# Altium PCB PCB1.PcbDoc
Units mil, origin at the board's own origin, x right, y up, seen from the top; angles counter-clockwise.
Board outline 6625.03 x 7860.03 mil, 2 copper layers (Top Layer, Bottom Layer); 38 components, 52 nets, 263 pads, 13 vias.
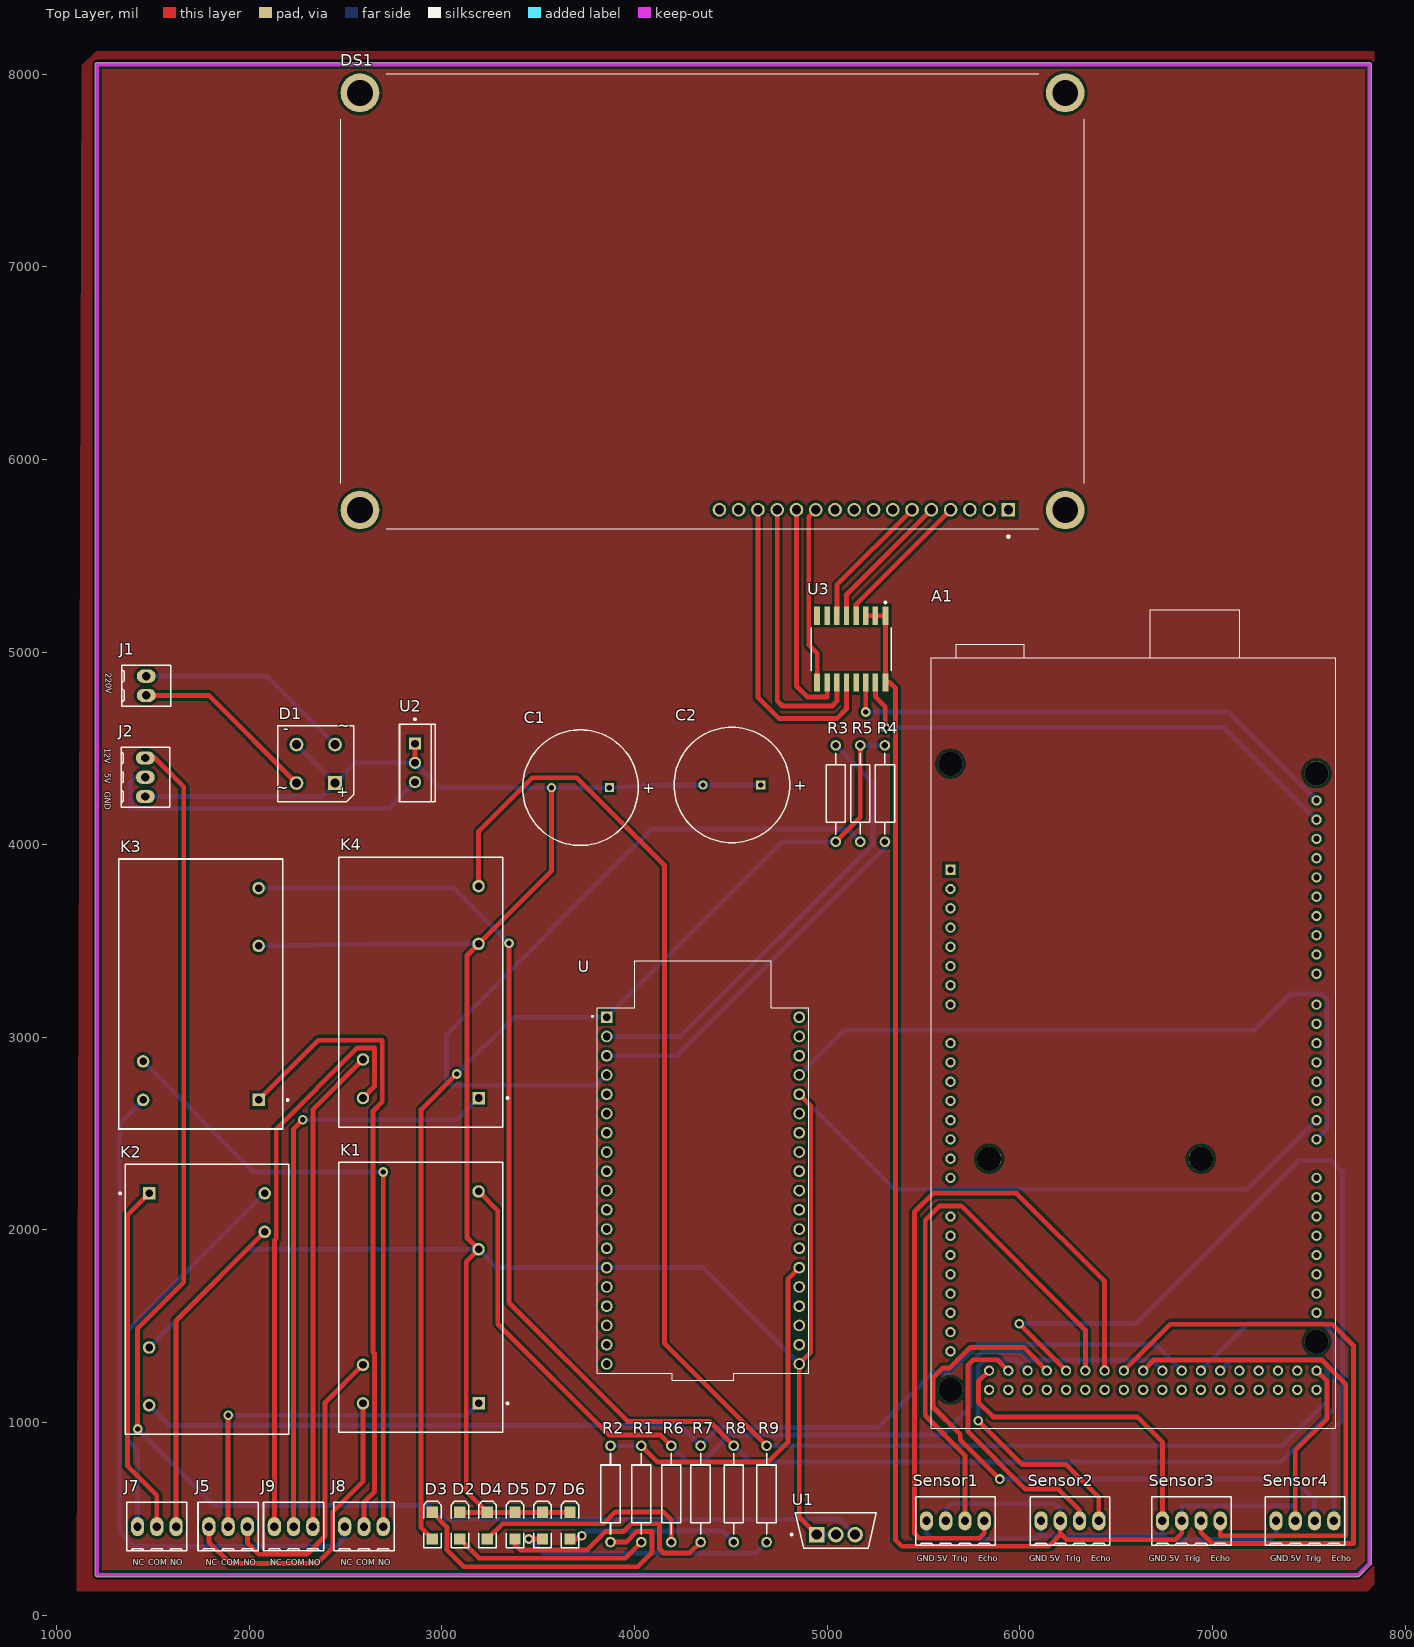
[diagram p0: Top Layer view]
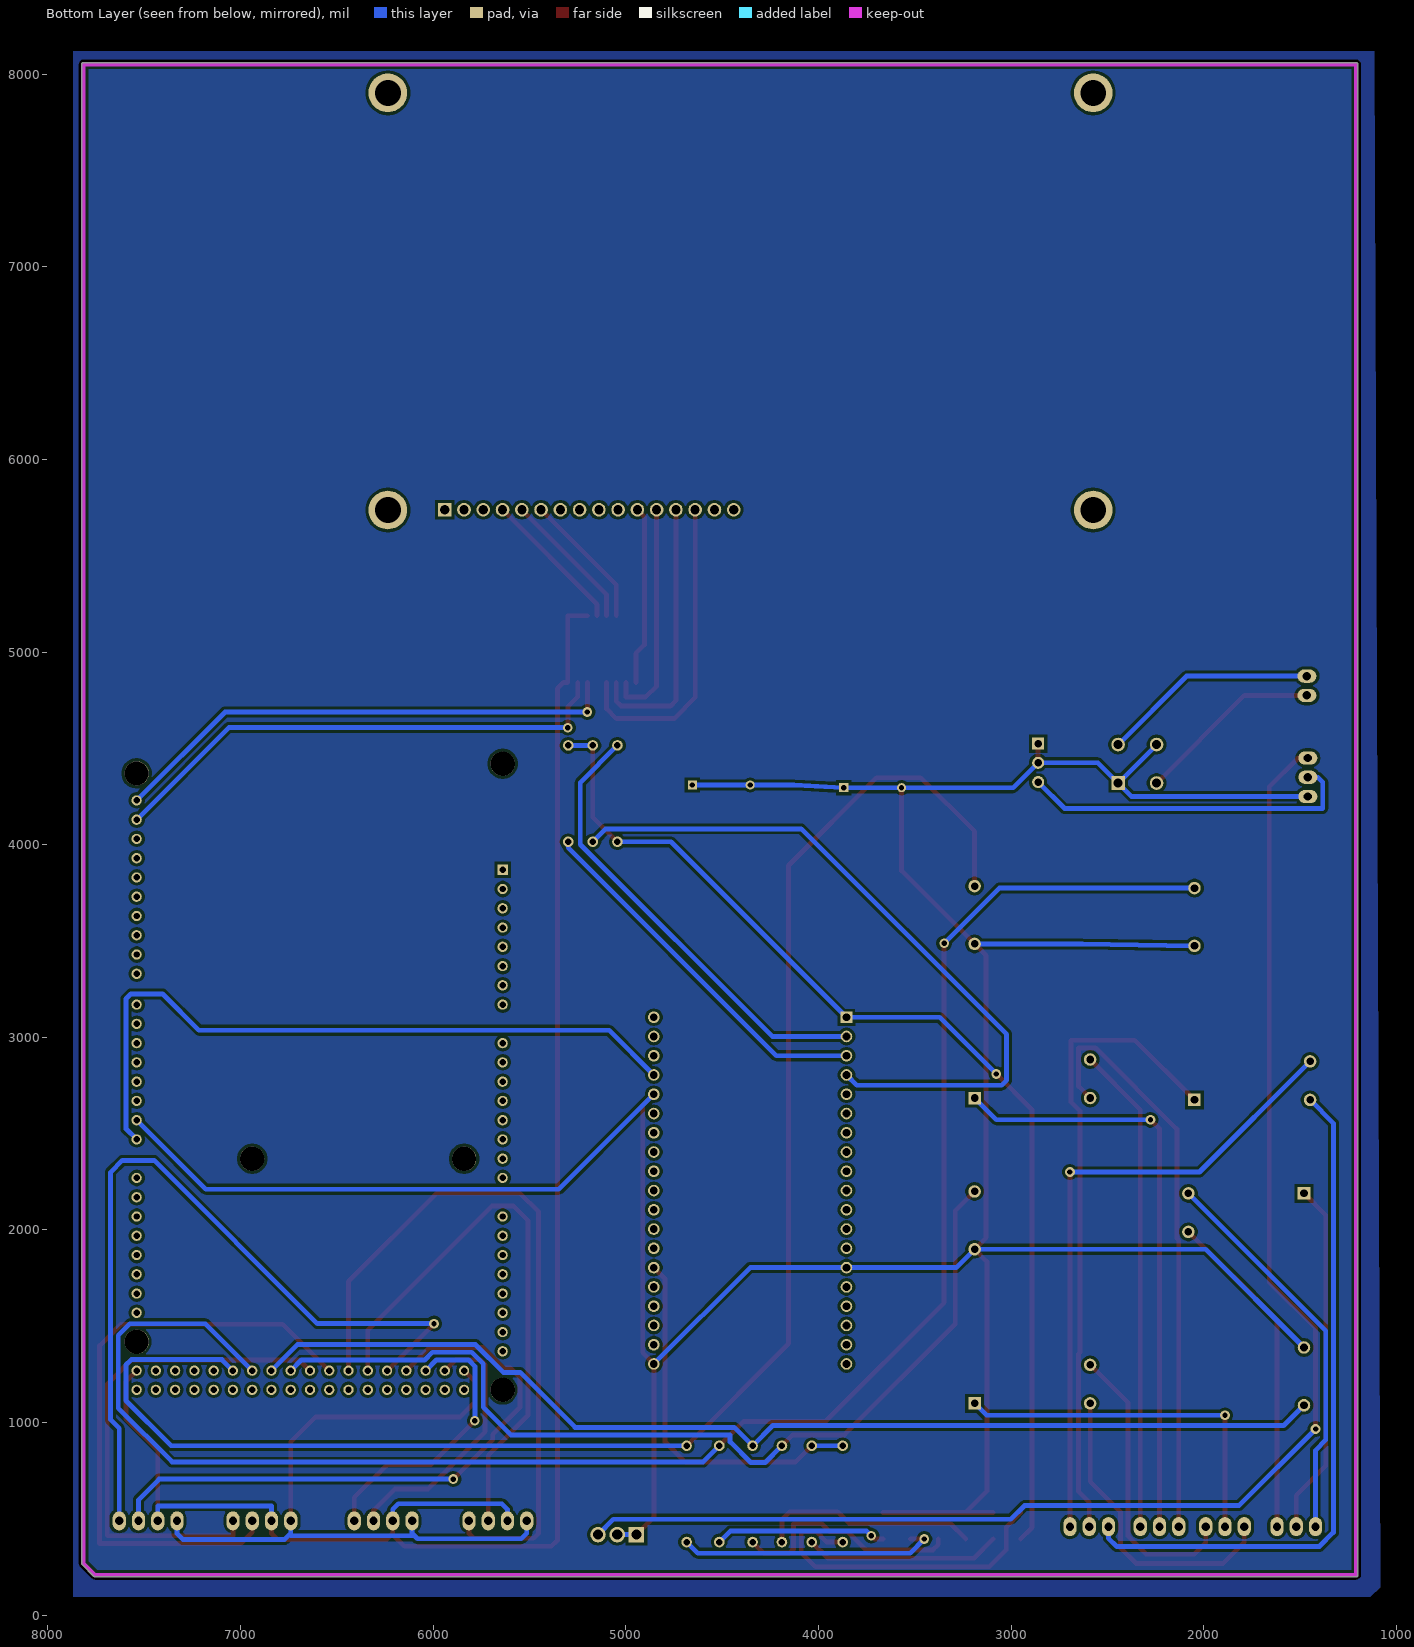
[diagram p1: Bottom Layer view, seen from below]

## Layer stack, top to bottom
Top Solder: solder mask 0.4, Solder Resist, Dk 3.5
Top Layer: signal copper 1.4
Dielectric 1: dielectric 12.6, FR-4, Dk 4.8
Bottom Layer: signal copper 1.4
Bottom Solder: solder mask 0.4, Solder Resist, Dk 3.5

## Board outline
1199.98,210 1199.98,8050 cw(c1210,8050) 1210,8060.02 cw(c1210,8050) 1210,8060.02 7815,8060.02 cw(c7815,8050) 7825.02,8050 7825.02,270 cw(c7815,270) 7822.08,262.92 7762.08,202.92 cw(c7755,210) 7755,199.99 1210,199.99 cw(c1210,210)

## Design rules (kind name [scope] priority, off if disabled: settings)
Clearance [All] p1: gap=15 ignorepadtopadclearanceinfootprint=FALSE
PolygonConnect [All] p1: connectstyle=Relief reliefconductorwidth=10 reliefentries=4 polygonreliefangle="90 Angle" airgapwidth=10
RoutingVias [All] p1: holewidth=28 width=50 viastyle="Through Hole" minholewidth=28 minwidth=50 maxholewidth=28 maxwidth=50
SolderMaskExpansion [All] p1: expansion=4 istentingtop=FALSE
Width [All] p1: maxlimit=50 minlimit=15 preferedwidth=25
30 further rules are at their usual default settings.

## Components (designator, comment, footprint, x,y, rotation, side; value= is the part's Value field where it differs from the comment)
A1 "A000067" ARDUINO_A000067 6590,2970 r0 top
C1 "Cap Pol1" RB7.6-15 3718.94,4296.06 r0 top value=1000uF
C2 "Cap Pol1" RB7.6-15 4505,4310 r0 top value=1000uF
D1 "Bridge1" D-38 2345,4420 r180 top
D2 "LED2" 3.2X1.6X1.1 3093,465 r90 top
D3 "LED2" 3.2X1.6X1.1 2950,465 r90 top
D4 "LED2" 3.2X1.6X1.1 3236,465 r90 top
D5 "LED2" 3.2X1.6X1.1 3379,465 r90 top
D6 "LED2" 3.2X1.6X1.1 3665,465 r90 top
D7 "LED2" 3.2X1.6X1.1 3522,465 r90 top
DS1 "LCD-20X4B" LCD_LCD-20X4B 4405,6820 r180 top
J1 "282834-2" "TE 282834-2" 1465,4825 r90 top
J2 "282834-3" "TE 282834-3" 1460,4350 r90 top
J5 "282834-3" "TE 282834-3" 1890,460 r180 top
J7 "282834-3" "TE 282834-3" 1520,460 r180 top
J8 "282834-3" "TE 282834-3" 2595,460 r180 top
J9 "282834-3" "TE 282834-3" 2230,460 r180 top
K1 "Relay" MODULE5B 2890,1650 r90 top
K2 "Relay" MODULE5B 1780,1640 r270 top
K3 "Relay" MODULE5B 1748.5,3225 r90 top
K4 "Relay" MODULE5B 2890,3235 r90 top
R1 "Res Semi" AXIAL-0.5 4035,630 r270 top value=330
R2 "Res Semi" AXIAL-0.5 3875,630 r270 top value=330
R3 "Res Semi" AXIAL-0.5 5043.94,4265.57 r90 top value=10k
R4 "Res Semi" AXIAL-0.5 5299.69,4265.57 r90 top value=5k
R5 "Res Semi" AXIAL-0.5 5171.81,4265.57 r90 top value=5k
R6 "Res Semi" AXIAL-0.5 4190,630 r270 top value=330
R7 "Res Semi" AXIAL-0.5 4342.68,630 r270 top value=330
R8 "Res Semi" AXIAL-0.5 4515,630 r270 top value=330
R9 "Res Semi" AXIAL-0.5 4685,630 r270 top value=330
Sensor1 "282834-4" "TE 282834-4" 5665,490 r180 top (schematic designator J3)
Sensor2 "282834-4" "TE 282834-4" 6260,490 r180 top (schematic designator J4)
Sensor3 "282834-4" "TE 282834-4" 6890,490 r180 top (schematic designator J10)
Sensor4 "282834-4" "TE 282834-4" 7480,490 r180 top (schematic designator J11)
U "ESP32-DEVKITC" MODULE_ESP32-DEVKITC 4355,2205 r0 top
U1 "LM7812CT" FP-TO220B03-MFG 5045,440 r90 top
U2 "LM7805CT" FAIR-TO-220-3 2860,4425 r0 top
U3 "PCF8574T/3,518" FP-SOT162-1-MFG 5125,5015 r270 top

## Footprints (in the part's own frame and the unit in brackets; to place one, negate y for a bottom-side part, rotate by r counter-clockwise, add the part's x,y. Pads: shape width x height; smd on the part's side, far side on the other; paste and mask are expansions set on the pad)
3.2X1.6X1.1 [mm] "SMT LED; 2 Flat Leads"
  rect 1.5x1.5 smd: 1(-1.75,0) 2(1.75,0)
  silkscreen extent -2.9,-1.15 3.2,1.15
ARDUINO_A000067 [mm]
  round 1.358 hole 0.85: 0(24.13,-12.7) 1(24.13,-10.16) 2(24.13,-7.62) 3(24.13,-5.08) 3V3(-24.13,15.24) 4(24.13,-2.54) 5(24.13,0) 5V_1(-24.13,12.7) 5V_2(24.13,-43.18) 5V_3(24.13,-45.72) 6(24.13,2.54) 7(24.13,5.08) 8(24.13,9.144) 9(24.13,11.684) 10(24.13,14.224) 11(24.13,16.764) 12(24.13,19.304) 13(24.13,21.844) 14(24.13,-17.78) 15(24.13,-20.32) 16(24.13,-22.86) 17(24.13,-25.4) 18(24.13,-27.94) 19(24.13,-30.48) 20(24.13,-33.02) 21(24.13,-35.56) 22(21.59,-43.18) 23(21.59,-45.72) 24(19.05,-43.18) 25(19.05,-45.72) 26(16.51,-43.18) 27(16.51,-45.72) 28(13.97,-43.18) 29(13.97,-45.72) 30(11.43,-43.18) 31(11.43,-45.72) 32(8.89,-43.18) 33(8.89,-45.72) 34(6.35,-43.18) 35(6.35,-45.72) 36(3.81,-43.18) 37(3.81,-45.72) 38(1.27,-43.18) 39(1.27,-45.72) 40(-1.27,-43.18) 41(-1.27,-45.72) 42(-3.81,-43.18) 43(-3.81,-45.72) 44(-6.35,-43.18) 45(-6.35,-45.72) 46(-8.89,-43.18) 47(-8.89,-45.72) 48(-11.43,-43.18) 49(-11.43,-45.72) 50(-13.97,-43.18) 51(-13.97,-45.72) 52(-16.51,-43.18) 53(-16.51,-45.72) AD0(-24.13,0) AD1(-24.13,-2.54) AD2(-24.13,-5.08) AD3(-24.13,-7.62) AD4(-24.13,-10.16) AD5(-24.13,-12.7) AD6(-24.13,-15.24) AD7(-24.13,-17.78) AD8(-24.13,-22.86) AD9(-24.13,-25.4) AD10(-24.13,-27.94) AD11(-24.13,-30.48) AD12(-24.13,-33.02) AD13(-24.13,-35.56) AD14(-24.13,-38.1) AD15(-24.13,-40.64) AREF(24.13,26.924) GND1(-24.13,10.16) GND2(-24.13,7.62) GND3(24.13,24.384) GND4(-19.05,-43.18) GND5(-19.05,-45.72) IOREF(-24.13,20.32) RESET(-24.13,17.78) SCL(24.13,32.004) SDA(24.13,29.464) VIN(-24.13,5.08)
  rect 1.358x1.358 / inner round 1.358 / far side rect 1.358x1.358 hole 0.85: NC(-24.13,22.86)
  round 3.2 hole 3.2 unplated: ""(-24.13,-45.72) ""(-24.13,36.83) ""(-19.05,-15.24) ""(8.89,-15.24) ""(24.13,-39.37) ""(24.13,35.56)
  silkscreen extent -26.67,-50.8 26.67,57.15, body extent -26.5,-51 26.5,57, height 13.23
AXIAL-0.5 [mm] "Axial Device, Thru-Hole; 2 Leads; 0.5 in Pin Spacing"
  round 1.4 hole 0.85: 1(-6.35,0) 2(6.35,0)
  silkscreen extent -5.33,-1.27 5.33,1.27
D-38 [mm] "Bridge Rectifier; 4 Terminals; Body 9.4 x 9.4 mm (typ); Pitch 5.08 mm"
  rect 1.8x1.8 hole 1.2: 1(-2.54,2.54)
  round 1.8 hole 1.2: 2(-2.54,-2.54) 3(2.54,-2.54) 4(2.54,2.54)
  silkscreen extent -5,-5 5,5, body extent -5,-5 5,5, height 9.91
FAIR-TO-220-3 [mm] "FM, 3-Leads, Body 10.2x4.7mm, Pitch 2.54mm"
  rect 1.6x1.6 hole 1: 1(0,2.54)
  round 1.6 hole 1: 2(0,0) 3(0,-2.54)
  silkscreen extent -2.04,-5.1 2.66,5.87, body extent -2.04,-5.1 2.66,5.1, height 18.95
FP-SOT162-1-MFG [mm]
  rect 2.4x0.8 smd paste+0 mask+0: 1(-4.4,4.495) 8(-4.4,-4.495) 9(4.4,-4.495) 16(4.4,4.495)
  rect 2.4x0.7 smd paste+0 mask+0: 2(-4.4,3.175) 3(-4.4,1.905) 4(-4.4,0.635) 5(-4.4,-0.635) 6(-4.4,-1.905) 7(-4.4,-3.175) 10(4.4,-3.175) 11(4.4,-1.905) 12(4.4,-0.635) 13(4.4,0.635) 14(4.4,1.905) 15(4.4,3.175)
  silkscreen extent -6.29,-5.25 2.82,5.25, body extent -5.72,-5.95 5.72,5.95, height 0.25
FP-TO220B03-MFG [mm]
  rect 2.05x2.05 hole 1.35 paste-1000 mask+0: 1(-0.54,2.535)
  round 2.05 hole 1.35 paste-1000 mask+0: 2(-0.54,0) 3(-0.54,-2.535)
  silkscreen extent -2.35,-5.34 2.35,5.96, body extent -2.45,-5.44 2.45,5.44, height 0.25
LCD_LCD-20X4B [mm]
  rect 1.8x1.8 / inner round 1.8 / far side rect 1.8x1.8 hole 1.2: 1(-39,27.46)
  round 1.8 hole 1.2: 2(-36.46,27.46) 3(-33.92,27.46) 4(-31.38,27.46) 5(-28.84,27.46) 6(-26.3,27.46) 7(-23.76,27.46) 8(-21.22,27.46) 9(-18.68,27.46) 10(-16.14,27.46) 11(-13.6,27.46) 12(-11.06,27.46) 13(-8.52,27.46) 14(-5.98,27.46) 15(-3.44,27.46) 16(-0.9,27.46)
  round 5.1 hole 3.4: S1(-46.5,27.5) S2(46.5,27.5) S3(-46.5,-27.5) S4(46.5,-27.5)
  silkscreen extent -49,-30 49,31.15, body extent -49,-30 49,30, height 11.5
MODULE5B [mm] "DIP; 5 Round Pins; Row Space 15.24 mm; Pitch 2.54 mm"
  rect 1.65x1.65 hole 1: 1(-13.97,-7.62)
  round 1.65 hole 1: 2(-13.97,7.62) 3(-8.89,7.62) 4(13.97,-7.62) 5(6.35,-7.62)
  silkscreen extent -17.8,-11.58 17.8,10.8, body extent -17.8,-10.8 17.8,10.8, height 14
MODULE_ESP32-DEVKITC [mm]
  rect 1.53x1.53 hole 1.02: 1(-12.7,22.85)
  round 1.53 hole 1.02: 2(-12.7,20.31) 3(-12.7,17.77) 4(-12.7,15.23) 5(-12.7,12.69) 6(-12.7,10.15) 7(-12.7,7.61) 8(-12.7,5.07) 9(-12.7,2.53) 10(-12.7,-0.01) 11(-12.7,-2.55) 12(-12.7,-5.09) 13(-12.7,-7.63) 14(-12.7,-10.17) 15(-12.7,-12.71) 16(-12.7,-15.25) 17(-12.7,-17.79) 18(-12.7,-20.33) 19(-12.7,-22.87) 20(12.7,-22.87) 21(12.7,-20.33) 22(12.7,-17.79) 23(12.7,-15.25) 24(12.7,-12.71) 25(12.7,-10.17) 26(12.7,-7.63) 27(12.7,-5.09) 28(12.7,-2.55) 29(12.7,-0.01) 30(12.7,2.53) 31(12.7,5.07) 32(12.7,7.61) 33(12.7,10.15) 34(12.7,12.69) 35(12.7,15.23) 36(12.7,17.77) 37(12.7,20.31) 38(12.7,22.85)
  silkscreen extent -14.67,-25 13.95,30.3, body extent -13.72,-25.31 14.22,29.79, height 7.31
RB7.6-15 [mm] "Polarized Capacitor (Radial); 2 Leads"
  rect 1.2x1.2 hole 0.7: 1(3.81,0)
  round 1.2 hole 0.7: 2(-3.81,0)
  silkscreen extent -7.62,-7.62 7.62,7.62
"TE 282834-2" [mm]
  oval 1.75x2.5 hole 1.1: 1(-1.27,0) 2(1.27,0)
  silkscreen extent -2.7,-3.2 2.7,3.2, body extent -2.77,-3.25 2.77,3.25, height 10
"TE 282834-3" [mm]
  oval 1.75x2.5 hole 1.1: 1(-2.54,0) 2(0,0) 3(2.54,0)
  silkscreen extent -3.97,-3.2 3.97,3.2, body extent -4.04,-3.25 4.04,3.25, height 10
"TE 282834-4" [mm]
  oval 1.75x2.5 hole 1.1: 1(-3.81,0) 2(-1.27,0) 3(1.27,0) 4(3.81,0)
  silkscreen extent -5.24,-3.2 5.24,3.2, body extent -5.31,-3.25 5.31,3.25, height 10

## Part data
A1: "Arduino Mega 2560 Rev3. ATmega2560 Microcontroller Mega Development Board 16MHz CPU 8KB RAM 4KB/256KB EEPROM/Flash", Package="Non-Standard Arduino", Availability="In Stock", Check_prices=https://www.snapeda.com/parts/A000067/Arduino/view-part/?ref=eda, MF=Arduino, MP=A000067, Price=None, Purchase-URL=https://pricing.snapeda.com/search?q=A000067&ref=eda, SnapEDA_Link=https://www.snapeda.com/parts/A000067/Arduino/view-part/?ref=snap
C1 C2: "Polarized Capacitor (Radial)", LatestRevisionDate=17-Jul-2002, LatestRevisionNote="Re-released for DXP Platform.", PackageDescription="Polarized Capacitor (Radial); 2 Leads", PackageReference=RB7.6-15, Published=8-Jun-2000, Publisher="Altium Limited"
D1: "Full Wave Diode Bridge", DatasheetVersion=E2732B, LatestRevisionDate=29-May-2009, LatestRevisionNote="Sch pins A & K swapped.", PackageDescription="Bridge Rectifier; 4 Terminals; Body 9.4 x 9.4 mm (typ); Pitch 5.08 mm", PackageReference=D-38, Published=8-Jun-2000, Publisher="Altium Limited"
D2 D3 D4 D5 D6 D7: "Typical RED, GREEN, YELLOW, AMBER GaAs LED", LatestRevisionDate=17-Jul-2002, LatestRevisionNote="Re-released for DXP Platform.", PackageDescription="SM LED; 2 Flat Leads", PackageReference=3.2X1.6X1.1, PackageVersion=Feb-2002, Published=8-Jun-2000, Publisher="Altium Limited"
DS1: "Display Development Tools 20X4 CHARACTER BLUE LCD W/BACKLIGHT", Package=None, Availability="In Stock", Check_prices=https://www.snapeda.com/parts/LCD-20X4B/Gravitech/view-part/?ref=eda, MF=Gravitech, MP=LCD-20X4B, Price=None, Purchase-URL=https://pricing.snapeda.com/search/part/LCD-20X4B/?ref=eda, SnapEDA_Link=https://www.snapeda.com/parts/LCD-20X4B/Gravitech/view-part/?ref=snap
J1: "TERM BLK 2P SIDE ENT 2.54MM PCB", Color=Green, Current=10A, Manufacturer="TE Connectivity AMP Connectors", Supplier Part Number 1=A98333-ND, Voltage=150V, ComponentLink1Description=Datasheet, ComponentLink1URL=https://www.te.com/commerce/DocumentDelivery/DDEController?Action=srchrtrv&DocNm=282834&DocType=Customer+Drawing&DocLang=English, ComponentLink2Description="DigiKey Link", ComponentLink2URL=http://digikey.com/product-detail/en/te-connectivity-amp-connectors/282834-2/A98333-ND/1150135, LastUpdated="1/15/2020 4:15:38 AM", Lifecycle Status=Active, Mating Orientation="Horizontal with Board", Minimum Order=1, Mounting Type="Through Hole", Number of Levels=1, Packaging=Bulk, Part Number=282834-2, Part Status=Active, Pitch="0.100\" (2.54mm)", Positions Per Level=2, Price=0.88, Series=Buchanan, Supplier 1=DigiKey, Wire Gauge="16-30 AWG", Wire Termination="Screw - Rising Cage Clamp"
J2 J5 J7 J8 J9: "TERM BLK 3P SIDE ENT 2.54MM PCB", Color=Green, Current=10A, Manufacturer="TE Connectivity AMP Connectors", Supplier Part Number 1=A98334-ND, Voltage=150V, ComponentLink1Description=Datasheet, ComponentLink1URL=https://www.te.com/commerce/DocumentDelivery/DDEController?Action=srchrtrv&DocNm=282834&DocType=Customer+Drawing&DocLang=English, ComponentLink2Description="DigiKey Link", ComponentLink2URL=http://digikey.com/product-detail/en/te-connectivity-amp-connectors/282834-3/A98334-ND/1153264, LastUpdated="1/15/2020 4:15:50 AM", Lifecycle Status=Active, Mating Orientation="Horizontal with Board", Minimum Order=1, Mounting Type="Through Hole", Number of Levels=1, Packaging=Bulk, Part Number=282834-3, Part Status=Active, Pitch="0.100\" (2.54mm)", Positions Per Level=3, Price=2.01, Series=Buchanan, Supplier 1=DigiKey, Wire Gauge="16-30 AWG", Wire Termination="Screw - Rising Cage Clamp"
K1 K2 K3 K4: "SPDT Relay", LatestRevisionDate=17-Jul-2002, LatestRevisionNote="Re-released for DXP Platform.", PackageReference=MODULE5B, Published=8-Jun-2000, Publisher="Altium Limited"
R1 R2 R3 R4 R5 R6 R7 R8 R9: "Semiconductor Resistor", LatestRevisionDate=17-Jul-2002, LatestRevisionNote="Re-released for DXP Platform.", PackageDescription="Axial Device, Thru-Hole; 2 Leads; 0.5 in Pin Spacing", PackageReference=AXIAL-0.5, Published=8-Jun-2000, Publisher="Altium Limited"
Sensor1 Sensor2 Sensor3 Sensor4: "TERM BLK 4P SIDE ENT 2.54MM PCB", Color=Green, Current=10A, Manufacturer="TE Connectivity AMP Connectors", Supplier Part Number 1=A98335-ND, Voltage=150V, ComponentLink1Description=Datasheet, ComponentLink1URL=https://www.te.com/commerce/DocumentDelivery/DDEController?Action=srchrtrv&DocNm=282834&DocType=Customer+Drawing&DocLang=English, ComponentLink2Description="DigiKey Link", ComponentLink2URL=http://digikey.com/product-detail/en/te-connectivity-amp-connectors/282834-4/A98335-ND/1153265, LastUpdated="1/15/2020 4:16:05 AM", Lifecycle Status=Active, Mating Orientation="Horizontal with Board", Minimum Order=1, Mounting Type="Through Hole", Number of Levels=1, Packaging=Bulk, Part Number=282834-4, Part Status=Active, Pitch="0.100\" (2.54mm)", Positions Per Level=4, Price=2.68, Series=Buchanan, Supplier 1=DigiKey, Wire Gauge="16-30 AWG", Wire Termination="Screw - Rising Cage Clamp"
U: "- Transceiver; 802.11 b/g/n _Wi-Fi, WiFi, WLAN_, BluetoothÂ® Smart Ready 4.x Dual Mode For Use With ESP-WROOM-32", Package=None, Availability=Unavailable, MF="Espressif Systems", MP=ESP32-DEVKITC-32D-F, Price=None, SnapEDA_Link=https://www.snapeda.com/parts/ESP32-DEVKITC-32D-F/Espressif%20Systems/view-part/4220172/?ref=snap
U1: library part CMP-07128-000015-1, "IC REG LINEAR 12V 1A TO220-3", Dropout Voltage=2V, Manufacturer="ON Semiconductor", Max Supply Voltage=35V, Nominal Supply Current=5.1mA, Output Current=1A, Output Voltage=12V, Package=TO220B03, Temperature="-40°C to +125°C", Temperature Range High=+125°C, Temperature Range Low=-40°C, Accuracy Percentage=4%, Automotive=No, Category=IC, ComponentLink2Description=Datasheet, ComponentLink2URL=https://www.mouser.in/datasheet/2/308/LM7812-1125088.pdf, Device Class L1="Integrated Circuits (ICs)", Device Class L2="Power Management ICs", Device Class L3="Voltage Regulators - Linear", Digikey Description="IC REG LINEAR 12V 1A TO220-3", Height=20.4mm, Ipc Land Pattern Name=TO-220, Lead Free=Yes, Manufacturer Part Number=LM7812CT, Number Of Outputs=1, Obsolete Part=true, Octopart=https://octopart.com/lm7812ct-on+semiconductor-14383031, Output Type=Fixed, RoHS=TRUE, Standoff Height=2.7mm
U2: library part CMP-2000-04938-1, "Positive Voltage Regulator, 5 V, 1 A, -40 to 125 degC, 3-Pin TO-220, RoHS, Tube", Manufacturer=FairchildSemiconductor, Maximum Input Voltage=35V, Maximum Output Current=2.2(Typ)A, Maximum Quiescent Current=8mA, Operating Temperature=-40to125degC, Output Voltage=5V, Package=3TO-220AB, Package Description="3-Pin Through Hole Device, Body 10 x 4.5 mm, Pitch 2.54 mm", Package Reference=TO-220, Typical Dropout Voltage @ Current=2@1AV, Accuracy=±4%, Category=LinearRegulator, Datasheet URL=https://datasheet.ciiva.com/26904/lm7805ct-26904988.pdf, Datasheet Version=Aug-12, Line Regulation=100mV, Load Regulation=100mV, Manufacturer URL=https://www.fairchildsemi.com/, Mounting=ThroughHole, Number Of Outputs=1, Output Type=Fixed, Package URL=https://www.fairchildsemi.com/package-drawings/TO/TO220B03.pdf, Packaging=Rail/Tube, Polarity=Positive, Rad Hard=No, Type=Linear
U3: library part CMP-10112-000010-1, "IC I/O EXPANDER I2C 8B 16SOIC", Ambient Temperature Range High=+85°C, Ambient Temperature Range Low=-40°C, Frequency=100kHz, Manufacturer="NXP Semiconductors", Max Junction Temp=+125°C, Max Supply Voltage=6V, Min Supply Voltage=2.5V, Nominal Supply Current=40uA, Package=SOT162-1, Temperature="-40°C to +85°C", Automotive=No, Category=IC, ComponentLink2Description=Datasheet, ComponentLink2URL=https://www.nxp.com/docs/en/data-sheet/PCF8574_PCF8574A.pdf, Device Class L1="Integrated Circuits (ICs)", Device Class L2="Interface ICs", Device Class L3="I/O Expanders", Digikey Description="IC I/O EXPANDER I2C 8B 16SOIC", Footprint Url=https://www.nxp.com/docs/en/package-information/SOT162-1.pdf, Height=2.65mm, Interface=I2C, Ipc Land Pattern Name=SOIC127P1032X265-16, Lead Free=Yes, Manufacturer Part Number=PCF8574T/3,518, Mouser Description="PCF8574 Series 2.5 - 6V Remote 8-bit I/O Expander for I2C-bus - SOIC-16", Number Of I/Os=8, Octopart=https://octopart.com/pcf8574t%2F3%2C518-nxp+semiconductors-10470852, RoHS=TRUE, Standoff Height=0.1mm, Temperature Range High=+85°C, Temperature Range Low=-40°C

## Via types
v1: diameter 50, hole 28, Top Layer to Bottom Layer, 13 vias

## Nets (pads, with @x,y where several pads share a name; then routed paths per layer and width w, separated by ;. In a path a pad name is that pad's centre, name@x,y a point inside that pad or via, vN(x,y) a via of type N, cw(c..) or ccw(c..) an arc to the next point about the centre after c; other vN are vias at no path point)
GND: A1.1 C1.1 C1.2 C2.1 C2.2 D1.1 D1.3 D2.2 D4.2 D5.2 D6.2 D7.2 J2.1 K1.5 K2.5 K3.5 K4.5 U1.1 U1.2 U2.1 U2.2 U.14 U.20 U.34 | length 18800.7
  Top Layer w25: U2.2 U2.1 ; D2.2 D4.2 ; C1.2 3568.94,3863.94 K4.5 3130,3425 3130,1960 K1.5 3126,1836 3126,643.9 D4.2 ; D6.2 D7.2 D5.2 D4.2 ; U.34 4913,2646.61 4913,1362.61 U.20 4855,508.94 U1.1
  Bottom Layer w25: J2.1 2375,4250 D1.1 ; K2.5 1990,1900 K1.5 3285.39,1804.61 U.14 4355,1804.61 U.20 ; K3.5 2630,3485 K4.5 ; D1.3 D1.1 ; C2.1 C2.2 4125.94,4310 C1.1 C1.2 2988.94,4296.06 U2.2 2550,4425 D1.1 ; U.34 5348.61,2211 7181,2211 A1.1 ; U1.1 U1.2
NetA1_0: A1.0 U.35 | length 3677.3
  Bottom Layer w25: U.35 5087.39,3037 7217,3037 7405,3225 7570,3225 7595,3200 7595,2525 A1.0
NetA1_5V_2: A1.5V_2 Sensor1.3 Sensor2.3 Sensor3.3 Sensor4.3 U3.1 U3.2 U3.3 U3.16 | length 8977.5
  Top Layer w25: U3.3 U3.2 U3.1 U3.16@5301.97,4842 ; U3.16 U3.16@5301.97,4842 ; Sensor2.3 6210,425 ; Sensor3.3 6840,425 6807,392 6243,392 6210,425 ; Sensor4.3 7430,856 7595,1021 7595,1215 A1.5V_2 ; U3.16@5301.97,4842 5325,4842 5355,4812 5355,390 5387,358 6150,358 6210,418 6210,425
  Bottom Layer w25: Sensor1.3 5615,550 5644,579 6181,579 6210,550 Sensor2.3 ; Sensor3.3 6840,567 7430,567 Sensor4.3
NetA1_30: A1.30 K4.4 R9.1 | length 8568.3
  Top Layer w25: K4.4 3190,4069 3469,4348 3700,4348 4156,3892 4156,1409 R9.1
  Bottom Layer w25: R9.1 7361,880 7595,1114 7595,1300 7568,1327 7097,1327 A1.30
NetA1_32: A1.32 K3.4 R8.1 | length 9227.6
  Top Layer w25: v1(3348,3488) 3348,1622 3964,1006 4389,1006 R8.1
  Bottom Layer w25: K3.4 3061,3775 v1(3348,3488) ; R8.1 4599,796 7356,796 7635,1075 7635,1453 7575,1513 7183,1513 A1.32
NetA1_34: A1.34 K2.4 R7.1 | length 5720.4
  Bottom Layer w25: K2.4 1585,985 4237.68,985 R7.1 4437.74,975.06 5264.07,975.06 5549.51,1260.49 5636.26,1260.49 5780.77,1405 6705,1405 A1.34
NetA1_36: A1.36 K1.4 R6.1 | length 4906.4
  Top Layer w25: K1.4 3290,2100 3290,1512 3866,936 4134,936 R6.1
  Bottom Layer w25: R6.1 4277,793 4352,793 4459,900 4459,935.06 5596.06,935.06 5741,1080 5741,1306 5800,1365 6005,1365 6045,1325 6685,1325 A1.36
NetA1_38: A1.38 Sensor3.1 | length 2642.6
  Top Layer w25: A1.38 6695,1325 7567,1325 7692,1200 7692,413 7040,413 Sensor3.1
NetA1_40: A1.40 Sensor3.2 | length 3240.7
  Top Layer w25: A1.40 6781,1511 7621,1511 7732,1400 7732,372 7000,372 6940,432 Sensor3.2
NetA1_42: A1.42 Sensor1.1 | length 3796.6
  Top Layer w25: Sensor1.1 5815,425 5790,400 5478,400 5453,425 5453,2094 5550,2191 5982,2191 6440,1733 A1.42
NetA1_44: A1.44 Sensor1.2 | length 2984.6
  Top Layer w25: Sensor1.2 5715,831 5509,1037 5509,2050 5584,2125 5695,2125 6340,1480 A1.44
NetA1_46: A1.46 Sensor4.1 | length 4228.8
  Top Layer w25: v1(5996,1514) A1.46
  Bottom Layer w25: v1(5996,1514) 6602,1514 7449,2361 7614,2361 7675,2300 7675,1015 7630,970 Sensor4.1
NetA1_48: A1.48 Sensor4.2 | length 3164.5
  Top Layer w25: v1(5895.76,707) 5690.79,911.98 5690.79,939.21 5549,1081 5549,1233 5600,1284 5635.71,1284 5742.35,1390.64 6019.36,1390.64 A1.48
  Bottom Layer w25: v1(5895.76,707) 7423,707 7530,600 Sensor4.2
NetA1_50: A1.50 Sensor2.1 | length 1487.3
  Top Layer w25: v1(5784,1010) 6012,782 6240,782 6410,612 Sensor2.1
  Bottom Layer w25: v1(5784,1010) 5784,1292 5817,1325 5985,1325 A1.50
NetA1_52: A1.52 Sensor2.2 | length 1393.8
  Top Layer w25: A1.52 5883.57,1326.43 5757.43,1326.43 5731,1300 5731,952.19 6028.19,655 6200,655 6310,545 Sensor2.2
NetA1_GND4: A1.GND4 Sensor1.4 Sensor2.4 Sensor3.4 Sensor4.4 | length 3785.6
  Top Layer w25: A1.GND4 5785,1215 5785,1106 5861,1030 6610,1030 6740,900 Sensor3.4
  Bottom Layer w25: Sensor1.4 5515,425 5543,397 6082,397 6110,425 ; Sensor2.4 6110,425 ; Sensor3.4 6740,425 ; Sensor4.4 7330,424 7300,394 6771,394 6740,425 ; 6110,425 6110,413 6740,413 6740,425
NetA1_SCL: A1.SCL U3.14 | length 2682.9
  Top Layer w25: v1(5200,4689) U3.14
  Bottom Layer w25: v1(5200,4689) 7081,4689 A1.SCL
NetA1_SDA: A1.SDA U3.15 | length 2691.9
  Top Layer w25: U3.15 5250,4767 5301,4716 v1(5301,4608)
  Bottom Layer w25: v1(5301,4608) 7062,4608 A1.SDA
NetD1_2: D1.2 J1.2 | length 1127
  Bottom Layer w25: J1.2 2090,4875 D1.2
NetD1_4: D1.4 J1.1 | length 968.5
  Top Layer w25: J1.1 1790,4775 D1.4
NetD2_1: D2.1 R1.2 | length 1018.3
  Top Layer w25: D2.1 3193.1,296 3951,296 R1.2
NetD3_1: D3.1 R3.1 R4.2 R5.2 U.1 | length 5661.7
  Top Layer w25: D3.1 2892,454.1 2892,2625 v1(3077,2810) ; R3.1 5171.81,4143.44 R5.2
  Bottom Layer w25: v1(3077,2810) 3371.61,3104.61 U.1 4765.96,4015.57 R3.1 ; R5.2 R4.2
NetD3_2: D3.2 R2.2 | length 1704.7
  Top Layer w25: D3.2 3026,457.9 3026,339 3113,252 4017.12,252 4090.06,324.94 4090.06,435.06 4012.19,435.06 3957.13,380 R2.2
NetD4_1: D4.1 R6.2 | length 1144.1
  Top Layer w25: D4.1 3314.96,475.06 3838.83,475.06 3899.94,536.17 4148.95,536.17 4190,495.12 R6.2
NetD5_1: D5.1 R7.2 | length 1223.6
  Top Layer w25: D5.1 3379,366.45 3406.45,339 3753.94,339 3850,435.06 3943.3,435.06 3983.3,475.06 4130.06,475.06 4130.06,343.94 4150,324 4286.68,324 R7.2
NetD6_1: D6.1 R8.2 | length 890.6
  Top Layer w25: D6.1 3709.1,396.1 v1(3726,413)
  Bottom Layer w25: v1(3726,413) 3750,437 4458,437 R8.2
NetD7_1: D7.1 R9.2 | length 1359.7
  Top Layer w25: v1(3451,396) 3451.1,396.1 D7.1
  Bottom Layer w25: v1(3451,396) 3525,322 4627,322 R9.2
NetDS1_4: DS1.4 U3.4 | length 753.8
  Top Layer w25: U3.4 5150,5248.46 DS1.4
NetDS1_5: DS1.5 U3.5 | length 733.1
  Top Layer w25: U3.5 5100,5298.46 DS1.5
NetDS1_6: DS1.6 U3.6 | length 712.4
  Top Layer w25: U3.6 5050,5348.46 DS1.6
NetDS1_11: DS1.11 U3.9 | length 930.5
  Top Layer w25: DS1.11 4904,5702.46 4904,5037 4948.03,4992.97 U3.9
NetDS1_12: DS1.12 U3.10 | length 1173.1
  Top Layer w25: DS1.12 4840.43,4823.57 4897,4767 5000,4767 U3.10
NetDS1_13: DS1.13 U3.11 | length 1419.4
  Top Layer w25: DS1.13 4740.43,4747.57 4768,4720 5025,4720 5050,4745 U3.11
NetDS1_14: DS1.14 U3.12 | length 1636.8
  Top Layer w25: DS1.14 4640.43,4764.57 4750,4655 5050,4655 5100,4705 U3.12
NetJ2_2: J2.2 U2.3 | length 1758.1
  Bottom Layer w25: J2.2 1408,4350 1383,4325 1383,4188 2723,4188 U2.3
NetJ2_3: J2.3 U1.3 | length 7646.4
  Top Layer w25: v1(1420,967) 1420,1489 1660,1729 1660,4300 1510,4450 J2.3
  Bottom Layer w25: v1(1420,967) 1818,569 2931,569 3002,498 5065.54,498 U1.3
NetJ5_1: J5.1 K1.3 | length 1521
  Top Layer w25: J5.1 1990,377 2050,317 2300,317 2393.05,410.05 2393.05,1103.05 K1.3
NetJ5_2: J5.2 K1.1 | length 1903.7
  Top Layer w25: J5.2 v1(1890,1038)
  Bottom Layer w25: v1(1890,1038) 3128,1038 K1.1
NetJ5_3: J5.3 K1.2 | length 1618.2
  Top Layer w25: J5.3 1790,379 1900,269 2352.05,269 2433.05,350 2433.05,537 2590,693.95 K1.2
NetJ7_1: J7.1 K2.3 | length 1720.5
  Top Layer w25: J7.1 1620,1530 K2.3
NetJ7_2: J7.2 K2.1 | length 1840.2
  Top Layer w25: K2.1 1367,2077 1367,775 1520,622 J7.2
NetJ7_3: J7.3 K2.2 | length 2047.3
  Bottom Layer w25: J7.3 1420,857 1367,910 1367,1477 K2.2
NetJ8_1: J8.1 K3.3 | length 3325.3
  Top Layer w25: J8.1 v1(2695,2301)
  Bottom Layer w25: K3.3 2022.5,2301 v1(2695,2301)
NetJ8_2: J8.2 K3.1 | length 3340.8
  Top Layer w25: K3.1 2358.49,2984.98 2689.98,2984.98 2689.98,2664.98 2642,2617 2642,1365 2650,1357 2650,642 2595,587 J8.2
NetJ8_3: J8.3 K3.2 | length 3571.4
  Bottom Layer w25: K3.2 1327,2553.5 1327,430 1400,357 2452,357 2495,400 J8.3
NetJ9_1: J9.1 K4.3 | length 2532.7
  Top Layer w25: J9.1 2330,2625 K4.3
NetJ9_2: J9.2 K4.1 | length 3091.3
  Top Layer w25: J9.2 2230,2525 v1(2277,2572)
  Bottom Layer w25: v1(2277,2572) 3077,2572 K4.1
NetJ9_3: J9.3 K4.2 | length 3037.3
  Top Layer w25: J9.3 2130,1946 2140,1956 2140,2524 2560.98,2944.98 2649.98,2944.98 2649.98,2744.98 K4.2
NetR1_1: R1.1 R2.1 U.25 | length 1929.3
  Top Layer w25: R1.1 4120,795 4692,795 4797,900 4797,1746.61 U.25
  Bottom Layer w25: R2.1 R1.1
NetR3_2: R3.2 U.2 | length 2389.3
  Bottom Layer w25: U.2 4240.61,3004.61 5237,4001 5237,4322.51 R3.2
NetR4_1: R4.1 U.3 | length 1923
  Bottom Layer w25: U.3 4219.61,2904.61 5299.69,3984.69 R4.1
NetR5_1: R5.1 U.4 | length 3719.9
  Bottom Layer w25: U.4 3801.39,2751 3050,2751 3024,2777 3024,3016 4090,4082 5105.38,4082 R5.1
pads on no net: A1. A1.2 A1.3 A1.3V3 A1.4 A1.5 A1.5V_1 A1.5V_3 A1.6 A1.7 A1.8 A1.9 A1.10 A1.11 A1.12 A1.13 A1.14 A1.15 A1.16 A1.17 A1.18 A1.19 A1.20 A1.21 A1.22 A1.23 A1.24 A1.25 A1.26 A1.27 A1.28 A1.29 A1.31 A1.33 A1.35 A1.37 A1.39 A1.41 A1.43 A1.45 A1.47 A1.49 A1.51 A1.53 A1.AD0 A1.AD1 A1.AD2 A1.AD3 A1.AD4 A1.AD5 A1.AD6 A1.AD7 A1.AD8 A1.AD9 A1.AD10 A1.AD11 A1.AD12 A1.AD13 A1.AD14 A1.AD15 A1.AREF A1.GND1 A1.GND2 A1.GND3 A1.GND5 A1.IOREF A1.NC A1.RESET A1.VIN DS1.1 DS1.2 DS1.3 DS1.7 DS1.8 DS1.9 DS1.10 DS1.15 DS1.16 DS1.S1 DS1.S2 DS1.S3 DS1.S4 U3.7 U3.8 U3.13 U.5 U.6 U.7 U.8 U.9 U.10 U.11 U.12 U.13 U.15 U.16 U.17 U.18 U.19 U.21 U.22 U.23 U.24 U.26 U.27 U.28 U.29 U.30 U.31 U.32 U.33 U.36 U.37 U.38

## Polygon pours and split planes (outlines as drawn)
no net on Bottom Layer "NONET_L02_P001" (solid, pour order 1): 1115,8120 7870,8120 7870,95 1135,95 1085,145
no net on Top Layer "NONET_L01_P002" (solid, pour order 2): 1130,8045 1205,8120 7840,8120 7840,160 7805,125 1105,125

## Keep-outs
Keep-Out Layer:
  lines w20: 1210,210 1210,8050 7815,8050 7815,270 7755,210 1210,210

## Silkscreen, mask and mechanical layers (free items; w line width, h text height)
Top Overlay:
  text "220V" at 1255,4890 h30 r270
  text "12V" at 1250,4500 h30 r270
  text "5V" at 1250,4370 h30 r270
  text "GND" at 1250,4275 h30 r270
  text "GND" at 5465,280 h30
  text "5V" at 5570,280 h30
  text "Trig" at 5650,280 h30
  text "Echo" at 5785,280 h30
  text "GND" at 6050,280 h30
  text "5V" at 6155,280 h30
  text "Trig" at 6235,280 h30
  text "Echo" at 6370,280 h30
  text "GND" at 6670,280 h30
  text "5V" at 6775,280 h30
  text "Trig" at 6855,280 h30
  text "Echo" at 6990,280 h30
  text "GND" at 7300,280 h30
  text "5V" at 7405,280 h30
  text "Trig" at 7485,280 h30
  text "Echo" at 7620,280 h30
  text "NC" at 1395,260 h30
  text "COM" at 1475,260 h30
  text "NO" at 1590,260 h30
  text "NC" at 1775,260 h30
  text "COM" at 1855,260 h30
  text "NO" at 1970,260 h30
  text "NC" at 2110,260 h30
  text "COM" at 2190,260 h30
  text "NO" at 2305,260 h30
  text "NC" at 2475,260 h30
  text "COM" at 2555,260 h30
  text "NO" at 2670,260 h30

## Text inside footprints (layer, text, board x,y; h text height)
C1: Top Overlay "+" at 4039.09,4267.06 h59.06
C2: Top Overlay "+" at 4825.15,4280.99 h59.06
D1: Top Overlay "+" at 2518.62,4295.43 h59.06 r180; Top Overlay "-" at 2205,4620 h59.05 r180; Top Overlay "~" at 2525,4640 h59.05 r180; Top Overlay "~" at 2205,4320 h59.05 r180